# KiCad board model-b.kicad_pcb (continued)
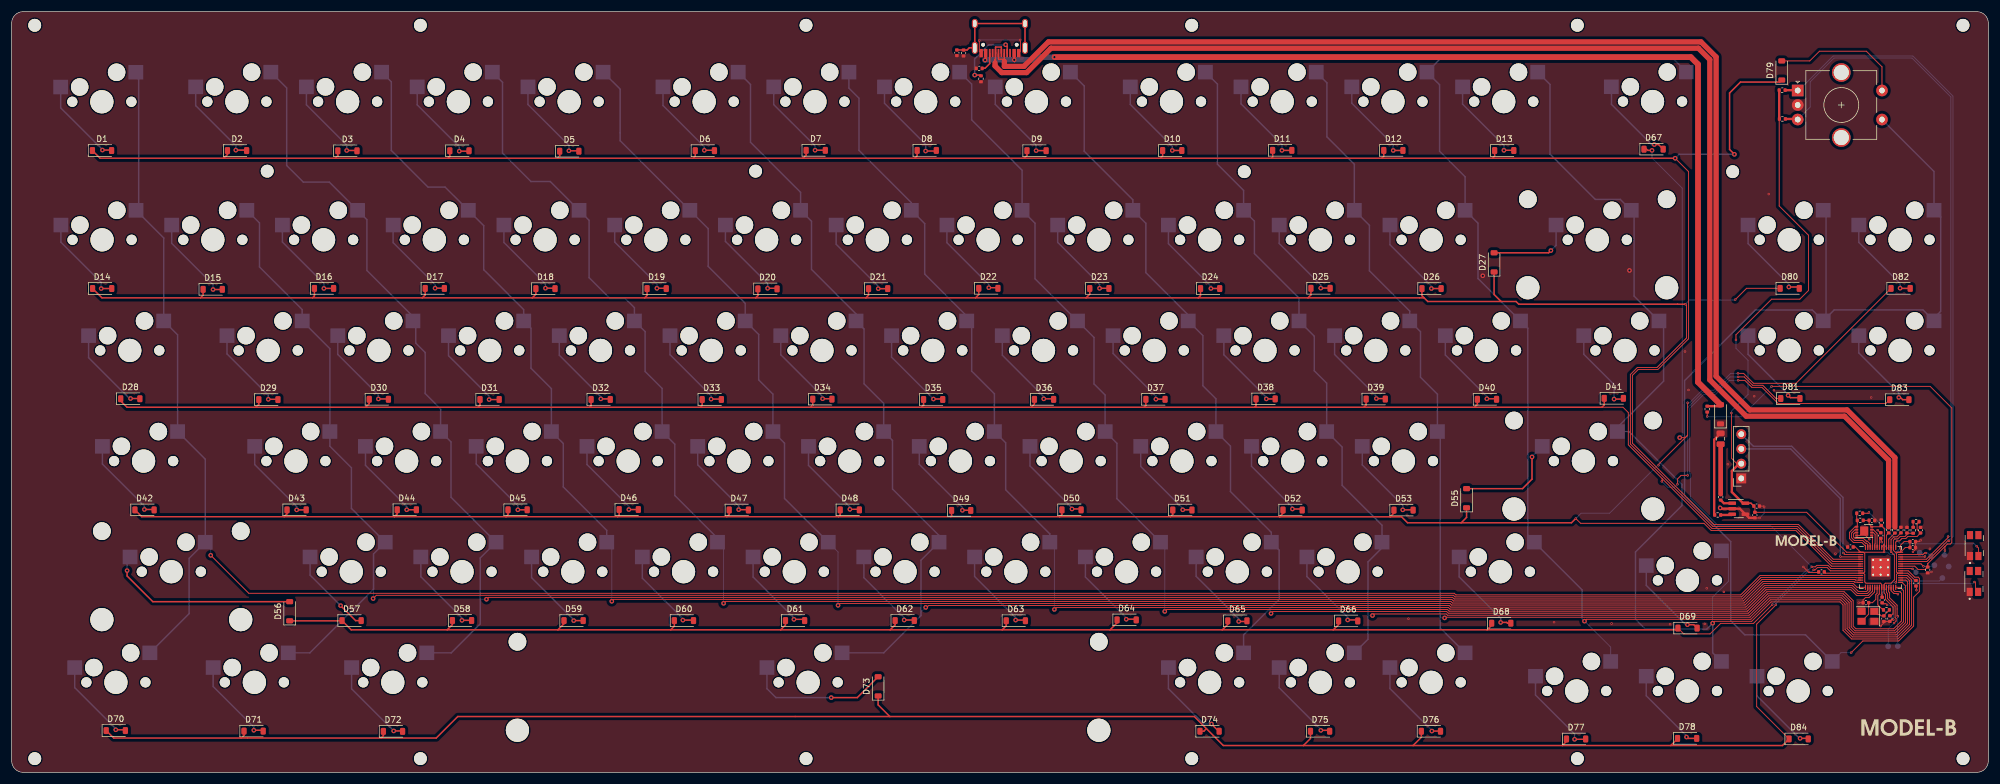
[diagram p0: board, top side]
## Routing (per net, layer and track width the routed paths; a pad name or vN(x,y) marks a point on that pad's centre or on a via; arc(x,y) is an arc through that point) (continued)
Net-(D38-A): length 15.4
  Top w0.25: v2(215.81,64.31) 217.33,64.31 D38.2
  Bottom w0.25: v2(215.81,64.31) 215.81,64.6 208.5,71.91 SW38.1
Net-(D39-A): length 15.4
  Top w0.25: v2(234.73,64.37) 236.19,64.37 D39.2
  Bottom w0.25: SW39.1 227.55,71.97 234.73,64.78 v2(234.73,64.37)
Net-(D40-A): length 15.5
  Top w0.25: D40.2 255.31,64.34 v2(253.74,64.34)
  Bottom w0.25: v2(253.74,64.34) 253.74,64.73 246.6,71.87 SW40.1
Net-(D41-A): length 14.7
  Top w0.25: 277.23,64.26 277.21,64.28 v2(275.62,64.28)
  Bottom w0.25: v2(275.62,64.28) 275.62,66.78 270.41,71.99 SW41.1
Net-(D42-A): length 15.6
  Top w0.25: D42.2 24.43,45.28 v2(22.83,45.28)
  Bottom w0.25: SW42.1 15.62,53.09 22.83,45.88 v2(22.83,45.28)
Net-(D43-A): length 15.6
  Top w0.25: v2(49.03,45.21) D43.2
  Bottom w0.25: SW43.1 41.81,53 49.03,45.78 v2(49.03,45.21)
Net-(D44-A): length 15.5
  Top w0.25: D44.2 69.61,45.22 v2(67.96,45.22)
  Bottom w0.25: SW44.1 60.86,52.88 67.96,45.78 v2(67.96,45.22)
Net-(D45-A): length 15.5
  Top w0.25: v2(87.07,45.22) 88.67,45.22 D45.2
  Bottom w0.25: SW45.1 79.91,53.1 87.07,45.94 v2(87.07,45.22)
Net-(D46-A): length 15.5
  Top w0.25: D46.2 107.79,45.26 v2(106.16,45.26)
  Bottom w0.25: v2(106.16,45.26) 106.16,45.82 98.96,53.02 SW46.1
Net-(D47-A): length 15.5
  Top w0.25: D47.2 126.67,45.24 v2(125.05,45.24)
  Bottom w0.25: SW47.1 118.01,52.95 125.05,45.91 v2(125.05,45.24)
Net-(D48-A): length 15.5
  Top w0.25: v2(144.18,45.3) 145.71,45.3 D48.2
  Bottom w0.25: SW48.1 137.06,52.85 144.18,45.74 v2(144.18,45.3)
Net-(D49-A): length 15.5
  Top w0.25: D49.2 164.95,45.13 v2(163.53,45.13)
  Bottom w0.25: v2(163.53,45.13) 163.53,45.63 156.11,53.05 SW49.1
Net-(D50-A): length 15.4
  Top w0.25: D50.2 183.8,45.36 v2(182.38,45.36)
  Bottom w0.25: SW50.1 175.16,52.76 182.38,45.54 v2(182.38,45.36)
Net-(D51-A): length 15.5
  Top w0.25: v2(201.43,45.22) 202.98,45.22 D51.2
  Bottom w0.25: SW51.1 194.21,52.68 201.43,45.45 v2(201.43,45.22)
Net-(D52-A): length 15.5
  Top w0.25: D52.2 221.8,45.36 v2(220.3,45.36)
  Bottom w0.25: SW52.1 213.26,52.71 220.3,45.67 v2(220.3,45.36)
Net-(D53-A): length 15.6
  Top w0.25: v2(239.27,45.21) 241.01,45.21 D53.2
  Bottom w0.25: SW53.1 232.31,52.94 239.27,45.98 v2(239.27,45.21)
Net-(D55-A): length 18.3
  Top w0.25: v2(261.51,54.32) 261.51,50.49 259.87,48.86 D55.2
  Bottom w0.25: SW55.1 261.51,54.39 v2(261.51,54.32)
Net-(D56-A): length 33.3
  Top w0.25: v2(19.86,34.74) 19.86,33.83 24.29,29.4 D56.2
  Bottom w0.25: SW56.1 19.86,36.58 v2(19.86,34.74)
Net-(D57-A): length 15.2
  Top w0.25: D57.2 59.17,26.14 v2(56.59,28.71)
  Bottom w0.25: v2(56.59,28.71) 51.33,33.97 SW57.1
Net-(D58-A): length 15.5
  Top w0.25: v2(77.46,26.19) 79.09,26.19 D58.2
  Bottom w0.25: v2(77.46,26.19) 77.46,26.61 70.38,33.69 SW58.1
Net-(D59-A): length 15.6
  Top w0.25: D59.2 98.3,26.13 v2(96.68,26.13)
  Bottom w0.25: v2(96.68,26.13) 96.68,26.28 89.43,33.53 SW59.1
Net-(D60-A): length 15.5
  Top w0.25: 117.11,26.14 117.03,26.22 v2(115.45,26.22)
  Bottom w0.25: SW60.1 108.48,33.44 115.45,26.47 v2(115.45,26.22)
Net-(D61-A): length 15.6
  Top w0.25: D61.2 136.19,26.35 v2(134.55,26.35)
  Bottom w0.25: SW61.1 127.53,33.64 134.55,26.62 v2(134.55,26.35)
Net-(D62-A): length 15.5
  Top w0.25: D62.2 155.17,26.24 v2(153.52,26.24)
  Bottom w0.25: SW62.1 146.58,33.53 153.52,26.6 v2(153.52,26.24)
Net-(D63-A): length 15.5
  Top w0.25: 174.33,26.12 174.22,26.23 v2(172.69,26.23)
  Bottom w0.25: SW63.1 165.63,33.73 172.69,26.68 v2(172.69,26.23)
Net-(D64-A): length 15.3
  Top w0.25: v2(191.71,26.37) 193.15,26.37 193.3,26.22
  Bottom w0.25: v2(191.71,26.37) 191.71,26.62 184.68,33.64 SW64.1
Net-(D65-A): length 15.6
  Top w0.25: v2(211.06,25.99) 212.36,25.99 D65.2
  Bottom w0.25: v2(211.06,25.99) 211.06,26.44 203.73,33.76 SW65.1
Net-(D66-A): length 15.6
  Top w0.25: 231.53,26.08 231.36,26.25 v2(229.8,26.25)
  Bottom w0.25: SW66.1 222.78,33.72 229.8,26.7 v2(229.8,26.25)
Net-(D67-A): length 15.5
  Top w0.25: 282.54,108.02 v2(282.54,108.11) 283.27,108.11 D67.2
  Bottom w0.25: v2(282.54,108.11) 282.08,108.11 275.17,115.02 275.17,118.36
Net-(D68-A): length 16
  Top w0.25: v2(256.11,25.83) 257.15,25.83 257.29,25.69 D68.2
  Bottom w0.25: SW68.1 248.98,33.66 256.11,26.53 v2(256.11,25.83)
Net-(D69-A): length 15.2
  Top w0.25: D69.2 289.32,25.43 v2(288.24,25.43)
  Bottom w0.25: v2(288.24,25.43) 287.93,25.43 281.15,32.21 SW69.1
Net-(D70-A): length 15.3
  Top w0.25: v2(17.91,7.34) 19.43,7.34 D70.2
  Bottom w0.25: v2(17.91,7.34) 17.91,7.53 10.85,14.59 SW70.1
Net-(D71-A): length 15.4
  Top w0.25: v2(41.66,7.26) 43.12,7.26 D71.2
  Bottom w0.25: v2(41.66,7.26) 41.66,7.8 34.66,14.79 SW71.1
Net-(D72-A): length 15.5
  Top w0.25: v2(65.72,7.14) 67.18,7.14 67.25,7.06
  Bottom w0.25: v2(65.72,7.14) 58.48,14.38 SW72.1
Net-(D73-A): length 24.9
  Top w0.25: D73.2 145.45,12.88 v2(140.97,12.88)
  Bottom w0.25: SW73.1 129.92,14.42 131.46,12.88 v2(140.97,12.88)
Net-(D74-A): length 15.3
  Top w0.25: v2(206.38,8.34) 206.38,8.31 207.61,7.08
  Bottom w0.25: SW74.1 198.97,14.41 205.04,8.34 v2(206.38,8.34)
Net-(D75-A): length 15.4
  Top w0.25: v2(225.18,7.24) 226.54,7.24 D75.2
  Bottom w0.25: v2(225.18,7.24) 225.18,7.4 218.02,14.56 SW75.1
Net-(D76-A): length 15.4
  Top w0.25: D76.2 245.73,7.12 v2(244.28,7.12)
  Bottom w0.25: v2(244.28,7.12) 244.28,7.23 237.07,14.43 SW76.1
Net-(D77-A): length 15.9
  Top w0.25: D77.2 270.68,5.7 v2(268.83,5.7)
  Bottom w0.25: 262.1,16.87 262.1,13.33 268.83,6.6 v2(268.83,5.7)
Net-(D78-A): length 15.5
  Top w0.25: D78.2 288.31,5.85 v2(288.08,6.09)
  Bottom w0.25: 281.15,16.87 281.15,13.2 288.08,6.27 v2(288.08,6.09)
Net-(D80-A): length 15.6
  Top w0.25: 307.56,83.33 307.31,83.58 v2(305.68,83.58)
  Bottom w0.25: SW80.1 298.67,91.05 305.68,84.04 v2(305.68,83.58)
Net-(D81-A): length 15.4
  Top w0.25: D81.2 307.45,64.52 305.95,64.52 v2(305.56,64.92)
  Bottom w0.25: v2(305.56,64.92) 305.56,65.1 298.67,71.99 298.67,75.21
Net-(D82-A): length 15.6
  Top w0.25: v2(324.82,83.38) 324.86,83.34 D82.2
  Bottom w0.25: SW82.1 317.72,91.26 324.82,84.16 v2(324.82,83.38)
Net-(D83-A): length 15.4
  Top w0.25: v2(324.6,64.57) 324.87,64.57 325.26,64.18 D83.2
  Bottom w0.25: 317.72,75.21 317.72,72.22 324.6,65.34 v2(324.6,64.57)
Net-(D84-A): length 15.6
  Top w0.25: D84.2 308.92,5.86 v2(307.62,5.86)
  Bottom w0.25: 300.2,16.87 300.2,13.17 307.5,5.86 v2(307.62,5.86)
Net-(F1-Pad2): length 8.6
  Top w0.8: FB1.2 293.95,56.5
Net-(U2-IN): length 2.2
  Top w0.4: U2.1 294.51,46.35 FB1.1
Net-(U3-ADC_AVDD): length 8.2
  Top w0.15: R14.2 327.75,42.85 327.75,41.81 C11.1 327.72,40.61 326.14,40.61 325.81,40.28 325.15,40.28 324.73,39.86 324.28,39.86 324.06,39.64 U3.43
Net-(U3-GPIO23): length 3
  Top w0.15: U3.35 326.9,35.11 v1(326.97,35.03)
  Bottom w0.15: 327.67,34.46 327.54,34.46 v1(326.97,35.03)
Net-(U3-GPIO25): length 6.1
  Top w0.15: 324.9,35.91 328.41,35.91 v1(328.84,35.48)
  Bottom w0.15: v1(328.84,35.48) 328.85,35.47 330.51,35.47 TP2.1
Net-(U3-GPIO28_ADC2): length 5.4
  Top w0.15: U3.40 329.01,37.11 v1(329.09,37.18)
  Bottom w0.15: TP3.1 328.83,37.18 v1(329.09,37.18)
Net-(U3-GPIO29_ADC3): length 5.6
  Top w0.15: v1(329.25,37.77) 329,37.77 328.74,37.51 U3.41
  Bottom w0.15: v1(329.25,37.77) 329.56,37.77 TP4.1
Net-(U3-SWCLK): length 11.4
  Top w0.15: U3.24 322.46,30.99 322.66,30.79 322.66,29.93 323.95,28.64 323.95,26.67 324.13,26.49 324.13,26.06 v1(323.78,25.71)
  Bottom w0.15: TP5.1 322.77,24.7 v1(323.78,25.71)
Net-(U3-SWD): length 10.8
  Top w0.15: U3.25 322.84,31.85 322.84,31.11 323.01,30.94 323.01,30.07 324.3,28.78 324.3,27 v1(324.43,26.87)
  Bottom w0.15: v1(324.43,26.87) 324.37,26.82 324.37,21.79 TP6.1
Net-(U3-USB_DM): length 2.9
  Top w0.15: U3.46 322.86,40.16 R16.1
Net-(U3-USB_DP): length 2.7
  Top w0.15: U3.47 322.46,40.84 R15.1
Net-(USB1-CC1): length 11.8
  Top w0.25: USB1.4 171.23,125.02 v2(170.96,125.29) ; R9.1 166.6,120.07 v2(165.65,120.07)
  Bottom w0.25: v2(170.96,125.29) 168.08,125.29 165.63,122.85 165.63,120.09 v2(165.65,120.07)
Net-(USB1-CC2): length 3.3
  Top w0.25: USB1.10 168.23,122.05 167.44,121.26 167.06,121.26
Net-(USB1-SHIELD): length 20.3
  Top w0.25: USB1.13 USB1.13 USB1.13 USB1.13 164.71,124.77 164.33,124.38 R6.2 163.71,124.4 C4.1

## Copper pours and planes (outline as drawn; the poured copper is in the pictures)
GND on Top: -0.06,131.06 -0.06,-0.06 340.06,-0.06 340.06,131.07 340.06,131.07 -0.04,131.07
GND on Bottom: -0.06,131.06 -0.06,-0.06 340.06,-0.06 340.06,131.07 340.06,131.07 -0.04,131.07
VSYS on Top: 292.72,60.76 292.72,57.69 295.1,57.69 295.1,57.7 295.1,60.72 295.06,60.76 292.78,60.76

## Text on the board
B.Silkscreen: MODEL B - V1.0 / Brian Hill 2024 / https://github.com/TrojanPinata/Model-B
